# Altium PCB Fast_Servo.PCBDOC (part 4 of 7) (continued)
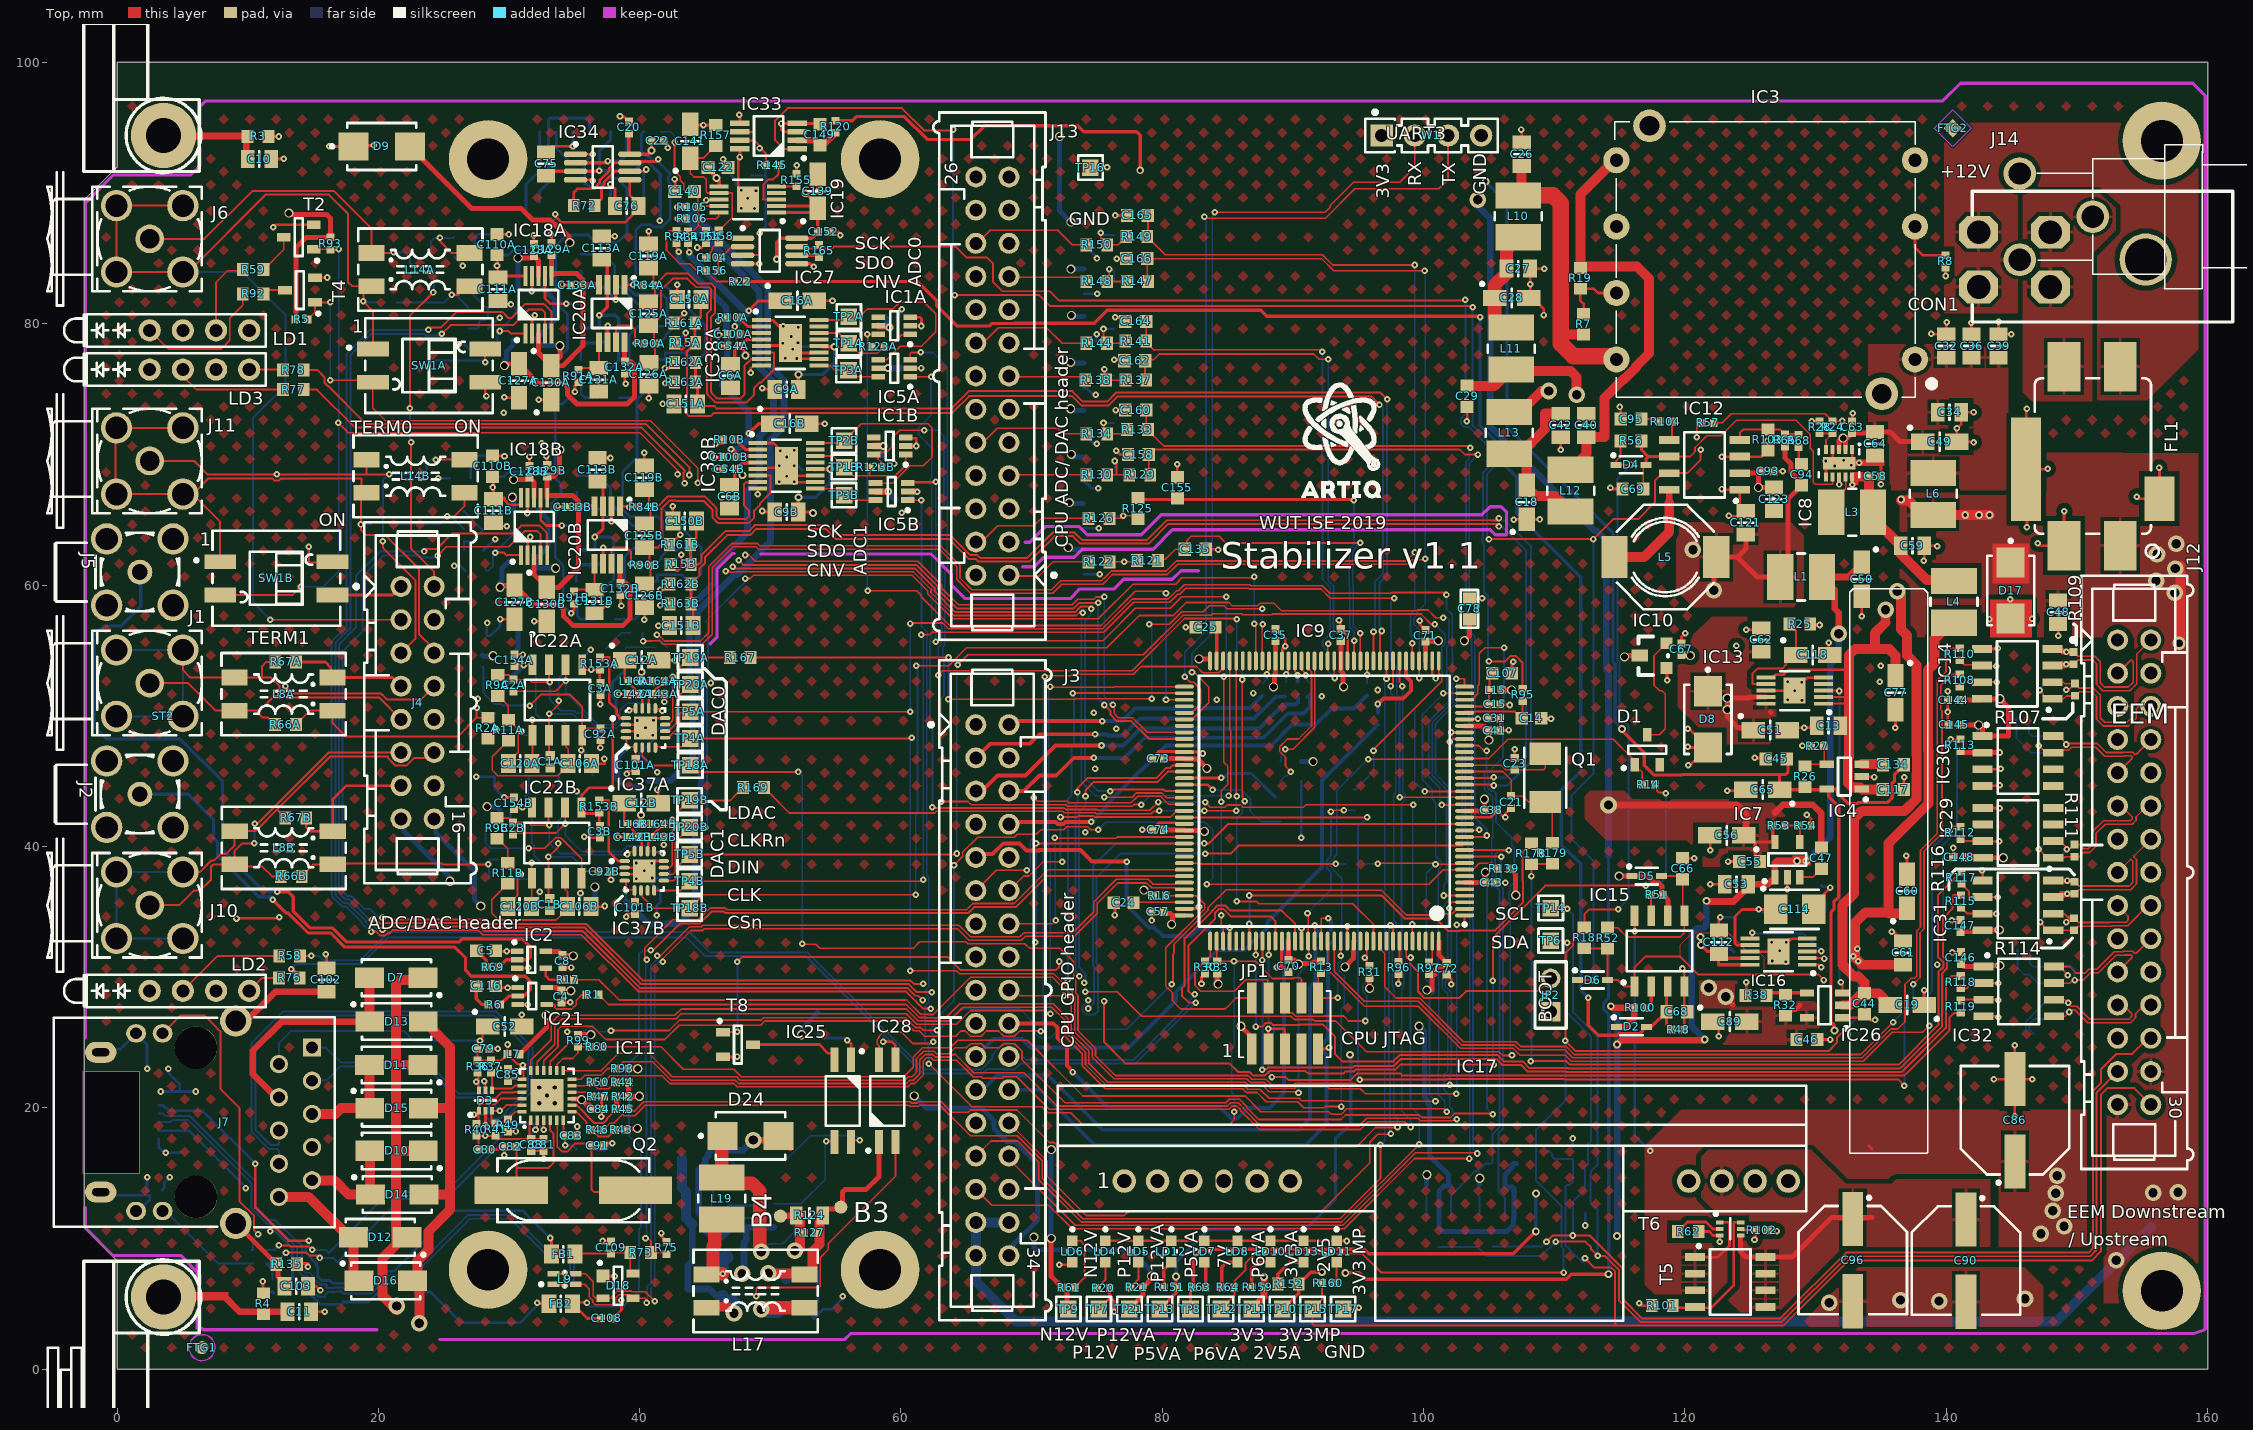
[diagram p0: Top view]
## Nets (pads, with @x,y where several pads share a name; then routed paths per layer and width w, separated by ;. In a path a pad name is that pad's centre, name@x,y a point inside that pad or via, vN(x,y) a via of type N, cw(c..) or ccw(c..) an arc to the next point about the centre after c; other vN are vias at no path point) (continued)
  L3 w0.203: 75.773,50.347 75.377,50.347 75.257,50.227 v1(74.748,50.227) 74.733,50.212 74.733,49.864 74.117,49.248 74.117,46.36 74.53,45.947 v1(74.854,45.947) 74.854,43.661 73.931,42.739 73.931,41.236 v1(74.094,41.072) 74.378,41.072 74.771,40.68 75.402,40.68 75.681,40.959 75.681,41.34 75.913,41.572 75.913,42.838 80.189,47.114 88.181,47.114 89.886,48.819 94.247,48.819 95.669,50.241 95.669,51.148 v1(96.495,51.973) 94.728,51.973 94.23,51.476 93.407,51.476 92.909,51.973 89.317,51.973 88.842,51.498 88.181,51.498 87.707,51.973 87.275,51.973 87.041,51.74 v1(86.97,51.74) 85.164,51.74 84.714,51.29 ; 75.979,50.256 75.683,50.256 75.688,50.261 75.688,50.207 76.837,50.207 77.531,50.902 78.662,50.902 78.917,50.647 79.45,50.647 79.705,50.902 80.011,50.595 80.504,50.595 81.135,51.227 v1(84.159,51.227)
  Bot w0.203: J9.6@-2.211,13.545 -1.982,13.316 2.5,13.316 2.5,12.925 1.67,12.095 J7.L4@1.46,12.095 ; J9.7@-2.211,24.245 -1.982,24.475 0.239,24.475 J7.L2@1.46,25.695 2.3,24.855 v1(2.3,22.987) ; v1@2.131,14.628 2.3,14.459 J9.9@2.3,13.545 ; J9.5@3.2,17.595 3.2,16.963 3.617,16.545 J9.11@4.9,16.545 ; v1(3.359,21.245) v1(6.04,21.245) ; J9.9@3.454,13.695 3.603,13.844 3.603,14.237 v1(4.051,14.685) ; v1(3.939,22.987) 3.939,22.667 4.801,21.806 J9.10@4.801,21.245 ; v1(11.151,6.706) 11.138,6.693 11.138,6.04 11.257,5.921 R55.2@11.887,5.921 R55.2@11.989,5.819 ; v1(24.577,68.174) 24.583,68.179 R82B.1@25.467,68.179 ; R82A.1@25.801,85.144 26.467,84.479 v1(26.467,84.43) ; v1@25.882,61.468 26.274,61.468 C124B.1@26.632,61.11 ; v1@26.216,78.433 26.608,78.433 C124A.1@26.966,78.074 ; v1(27.5,45.346) 27.524,45.322 C98B.2@28.896,45.322 28.896,44.482 v1(29.628,43.75) ; R89B.1@28.067,62.67 28.897,63.5 v1(28.956,63.5) ; v1(28.331,57.105) 28.307,57.081 C98A.2@28.307,56.136 28.602,56.136 29.317,56.85 v1(29.317,57.404) ; R89A.1@28.401,79.634 29.232,80.465 v1(29.29,80.465) ; C97B.1@32.267,35.25 32.267,36.445 v1(32.357,36.535) ; C97A.1@33.796,45.419 33.796,44.461 34.036,44.221 v1(35.186,44.221) ; RN3.7@34.897,94.701 34.9,94.698 v1(34.9,93.599) ; RN5A.4@35.607,53.91 35.607,54.409 v1(36.246,55.048) ; C87.1@36.741,16.764 37.389,16.764 v1(37.897,17.272) ; RN4.4@37.766,89.301 v1(37.766,90.67) ; v1(41.307,34.727) 41.307,35.492 C138B.2@41.578,35.764 41.578,36.535 40.953,37.16 v4(40.953,37.582) 42.303,37.582 C99B.2@42.303,38.11 ; v1(41.352,45.665) 39.958,47.058 40.998,48.098 v4(40.998,48.52) 41.526,49.048 C99A.2@42.348,49.048 ; C167.1@47.027,91.336 47.348,91.015 47.348,90.65 v4(47.777,90.221) ; v4(51.84,69.133) 52.116,69.133 C137B.1@52.44,68.809 ; v4(52.121,78.549) 52.438,78.232 C137A.1@52.941,78.232 ; C105.1@53.646,4.353 53.252,3.959 53.34,3.871 54.041,4.572 54.676,4.572 55.601,5.496 55.55,5.547 v1(55.55,5.563) ; C33.1@53.646,7.529 53.646,5.248 C105.1@53.697,5.197 ; C7B.1@59.461,69.988 59.491,69.959 v1(59.491,69.305) ; C7A.1@59.647,80.5 60.014,80.868 60.014,81.071 v1(60.071,81.128) ; v1(60.071,65.533) v1@60.071,65.591 ; B.1@60.477,66.548 60.686,66.756 60.858,66.756 v1(61.259,67.158) ; A.1@60.877,76.6 60.89,76.614 v1(61.566,76.614) ; D25.1@73.925,64.356 73.929,64.36 v1(75.15,64.36) ; D23.1@74,60.827 v1(75.225,60.827) ; D27.1@74,67.912 74.1,67.912 74.6,67.412 v1(75.1,67.412) ; D29.1@74,71.462 74.1,71.462 74.733,70.83 v1(74.979,70.83) ; D31.1@74,75.084 74.2,75.084 74.7,74.584 v1(74.9,74.584) ; D33.1@74.025,78.655 74.925,78.655 74.975,78.705 v1(74.975,79.195) ; D35.1@74.025,82.291 v1(75.025,82.291) ; D34.1@74.025,85.841 74.225,85.841 75,85.066 v1(75,85) ; v1(90.643,40.675) R183.2@90.643,41.905 R182.2@90.643,43.367 R181.2@90.643,44.974 ; v1(111.418,17.651) 111.418,16.989 C17.1@111.42,16.987 ; IC6.2@112.37,11.933 112.376,11.927 112.376,10.996 v1(112.383,10.989) ; v1(122.692,34.596) 122.703,34.585 123.687,34.585 C115.2@123.723,34.549 ; R143.1@130.442,37.031 130.561,36.912 131.072,36.912 v1(131.128,36.855) ; IC23.4@142.732,55.111 142.784,55.163 v1(143.955,55.163) ; v1(142.736,38.187) 142.783,38.141 IC40.4@142.783,37.39 ; IC39.5@142.791,44.636 143.97,44.636 144.027,44.693 v1(144.108,44.693) ; IC36.4@142.792,42.946 144.074,42.946 v1(144.082,42.937) ; IC41.5@142.843,27.001 142.876,26.968 143.948,26.968 v1(143.981,26.935) ; v1(35.186,44.221) 35.509,43.899 ; v1(35.186,44.221) 35.251,44.221 35.509,43.963 35.509,43.899 ; 35.509,43.899 35.509,43.025 RN5B.4@35.562,42.972 35.562,43.846 35.509,43.899
  other v1: 2.3,14.685 3.73,16.545 139.319,30.962 127.842,36.734 76.475,49.023 92.202,51.499 134.976,53.83 89.408,55.318 123.942,55.346 143.286,57.406 146.563,57.431 25.813,61.468 147.014,63.192 31.639,63.684 149.034,65.667 147.776,68.907 133.325,69.378 32.493,70.866 29.611,73.193 146.176,73.505 26.147,78.433 61.541,79.832 31.973,80.649
  other v4: 39.754,37.541 40.353,38.132 40.931,38.71 39.748,38.732 39.85,48.489 39.827,49.643 41.064,49.645 127.855,51.214 128.955,51.202 128.403,51.911 128.943,52.571 127.855,52.591 50.67,67.922 51.842,67.922 51.25,68.328 131.47,69.113 132.715,69.163 130.785,69.5 132.156,69.545 51.25,69.809 50.76,70.295 51.84,70.309 52.03,77.343 51.13,77.368 51.6,79.026 52.15,79.731 50.978,79.819 47.777,88.83 48.793,88.824 48.287,89.611 48.902,90.195
  other v5: 131.039,5.068 139.45,5.207 136.5,5.283 146.025,5.385
  other v6: 127.717,31.169 126.681,31.231 127.26,32.007 126.65,32.668 127.748,32.671
  other v7: 32.305,20.345 33.505,20.345 32.905,20.945 32.305,21.545 33.505,21.545
GNDF: CON1.1 CON1.2 FL1.3 J14.1
HRTIM_CHA1: IC9.96 J3.14 | length 20.1
  Top w0.127: J3.14@68.27,34.08 71.596,34.08 71.85,34.334 v1(71.857,34.334) ; v1(71.755,40.665) 71.788,40.632 76.447,40.632 76.542,40.727 IC9.96@81.684,40.727
  Top w0.152: J3.14@68.27,34.08 J3.14@68.292,34.058
  Bot w0.127: v1(71.755,40.665) 71.806,40.615 71.806,34.385 v1(71.857,34.334)
HRTIM_CHA2: IC9.97 J3.15 | length 23.9
  Top w0.127: v1(70.333,40.227) 70.335,40.225 81.682,40.225 IC9.97@81.684,40.227
  L3 w0.127: J3.15@65.73,31.54 66.852,32.662 v1(70.264,32.662)
  Bot w0.127: v1(70.264,32.662) 70.333,32.731 v1(70.333,40.227)
HRTIM_CHE1: IC9.91 J3.11 | length 22.5
  Top w0.127: J3.11@65.73,36.62 67.28,38.17 69.615,38.17 v1(69.621,38.176) ; v1(70.165,43.727) 70.439,43.453 72.707,43.453 72.819,43.341 75.211,43.341 75.218,43.335 77.61,43.335 78.116,43.84 79.866,43.84 80.479,43.227 IC9.91@81.684,43.227
  Bot w0.127: v1(69.621,38.176) 69.893,38.448 69.893,40.409 70.165,40.682 v1(70.165,43.727)
HRTIM_CHE2: IC9.92 J3.12 | length 18.2
  Top w0.127: J3.12@68.27,36.62 69.386,37.736 69.804,37.736 70.909,38.841 v1(72.331,38.841) ; v1(72.209,42.25) 73.496,42.25 73.571,42.325 74.757,42.325 74.825,42.257 80.639,42.257 81.109,42.727 IC9.92@81.684,42.727
  Bot w0.127: v1(72.209,42.25) 72.209,39.063 72.331,38.942 v1(72.331,38.841)
I2C1_SCL: IC9.139 J3.27 | length 56.4
  Top w0.127: J3.27@65.73,16.3 66.885,17.455 68.937,17.455 70.55,15.842 70.55,14.501 73.799,11.252 93.721,11.252 v1(99.659,17.191) ; IC9.139@98.659,32.752 98.659,31.506 98.665,31.5 v1(99,31.5)
  Bot w0.127: v1(99,31.5) 99,20.096 99.659,19.437 v1(99.659,17.191)
I2C1_SDA: IC9.137 J3.26 | length 53.7
  Top w0.127: J3.26@68.27,18.84 71.181,15.929 71.181,14.755 74.176,11.76 77.094,11.76 77.424,12.09 92.186,12.09 95.869,15.773 95.869,17.354 96.495,17.979 97.479,17.979 v1(97.5,18) ; v1(97.465,33.974) 97.659,33.78 IC9.137@97.659,32.752
  Bot w0.127: v1(97.465,33.974) 97.35,33.859 97.35,23.035 97.425,22.96 97.425,18.075 v1(97.5,18)
I2C2_SCL: IC9.11 R23.2 T3.2 | length 34.4
  Top w0.152: IC9.11@103.134,39.727 106.483,39.727 v1(106.514,39.696)
  Bot w0.152: T3.2@102.105,11.633 102.105,13.306 102.519,13.72 102.519,13.723 103.965,15.17 104.184,15.17 104.765,15.751 105.19,15.751 105.279,15.84 105.279,17.995 105.812,18.529 105.812,36.642 105.531,36.924 105.531,37.53 105.535,37.535 105.535,38.66 105.481,38.714 105.481,39.397 105.746,39.662 106.122,39.662 106.125,39.659 106.478,39.659 v1(106.514,39.696)
I2C2_SDA: IC9.10 R74.2 T1.2 | length 31
  Top w0.152: IC9.10@103.134,39.227 105.916,39.227 v1(105.934,39.209)
  Bot w0.152: v1@105.81,39.085 v1(105.934,39.209) 105.934,37.539 105.81,37.415 105.81,37.039 106.092,36.757 106.092,18.413 105.717,18.039 105.717,13.597 106.21,13.104 R74.2@106.23,13.104 106.229,13.102 T1.2@106.229,11.691
I2C_SCL: IC6.1 J12.27 T3.3 TP14.1 | length 101
  Top w0.152: TP14.1@109.728,35.281 110.946,35.281 v1(110.985,35.242) ; v1(110.101,9.754) 112.383,9.754 112.818,9.318 112.818,9.165 v1(113.32,8.663) 113.869,8.663 114.943,7.589 114.943,5.254 116.59,3.607 127.418,3.607 132.447,8.636 151.017,8.636 151.5,9.119 151.5,21.164 J12.27@153.114,22.778
  Bot w0.152: T3.3@101.155,9.333 104.155,9.333 104.824,8.663 109.011,8.663 v1(110.101,9.754) ; v1(110.985,35.242) 111.438,34.789 111.438,27.327 113.32,25.445 113.32,15.671 112.816,15.168 112.816,14.893 112.776,14.852 112.776,12.664 113.033,12.407 113.096,12.407 113.32,12.183 IC6.1@113.32,11.933 v1(113.32,8.663)
I2C_SDA: IC6.3 J12.26 T1.3 TP6.1 | length 96.3
  Top w0.152: v1(109.405,9.754) 109.877,10.226 112.701,10.226 115.222,7.704 115.222,5.373 116.709,3.886 127.302,3.886 132.331,8.915 150.901,8.915 151.221,9.235 151.221,21.28 151.832,21.891 151.832,22.927 153.03,24.126 154.236,24.126 155.429,25.318 J12.26@155.654,25.318 ; TP6.1@109.728,32.789 110.737,32.789 110.891,32.635 v1(110.985,32.635)
  Bot w0.152: T1.3@105.279,9.391 109.042,9.391 v1(109.405,9.754) ; v1(110.985,32.635) 110.985,27.27 112.816,25.438 112.816,17.479 112.598,17.261 112.598,15.671 112.37,15.442 112.37,13.767 111.42,12.817 IC6.3@111.42,11.933 111.42,10.227 v1(111.418,10.226)
INA_N: C119A.2 C125A.2 IC38A.7 R84A.2 | length 23.4
  Top w0.152: C125A.2@40.692,81.654 41.162,82.124 R84A.2@41.162,82.939 ; C119A.2@40.692,84.289 41.056,83.925 41.056,83.045 R84A.2@41.162,82.939 ; IC38A.7@49.171,77.266 IC38A.7@49.337,77.266 ; IC38A.7@49.337,77.294 48.538,77.294 48.313,77.068 48.29,77.068 48.006,76.784 48.006,74.579 47.725,74.298 45.913,74.298 45.51,74.701 45.51,74.8 45.455,74.854 45.455,80.508 45.76,80.812 45.76,82.805 45.463,83.102 44.452,83.102 43.688,83.866 42.089,83.866 R84A.2@41.162,82.939
INA_P: C125A.1 C126A.1 IC38A.6 R90A.2 | length 28.3
  Top w0.152: C126A.1@40.714,77.043 41.162,77.492 41.162,78.479 41.098,78.544 41.098,79.449 C125A.1@40.692,79.854 40.941,79.854 41.631,80.543 41.631,82.52 41.656,82.545 41.656,82.603 42.517,83.465 43.658,83.465 44.325,82.797 45.336,82.797 45.455,82.678 45.455,81.06 45.151,80.755 45.151,74.728 45.205,74.673 45.205,74.574 45.787,73.993 48.191,73.993 48.764,74.566 48.764,75.094 49.189,75.519 49.317,75.519 50.273,76.475 50.273,77.794 IC38A.6@49.337,77.794 ; IC38A.6@49.171,77.766 IC38A.6@49.337,77.766
INB_N: C119B.2 C125B.2 IC38B.7 R84B.2 | length 15.8
  Top w0.152: C125B.2@40.358,64.689 40.828,65.16 R84B.2@40.828,65.974 ; C119B.2@40.358,67.324 40.722,66.96 40.722,66.081 R84B.2@40.828,65.974 ; IC38B.7@49.039,67.883 49.021,67.864 48.129,67.864 48,67.736 48,66.08 48.358,65.722 48.358,65.274 48.13,65.046 46.123,65.046 45.885,65.283 45.885,65.877 44.968,66.794 42.172,66.794 41.352,65.974 R84B.2@40.828,65.974
INB_P: C125B.1 C126B.1 IC38B.6 R90B.2 | length 20.6
  Top w0.152: C126B.1@40.379,60.078 40.828,60.527 40.828,61.515 40.763,61.579 40.763,62.484 C125B.1@40.358,62.889 41.388,62.889 41.656,63.158 41.656,65.847 42.298,66.489 42.725,66.489 42.767,66.446 44.884,66.446 45.581,65.75 45.581,65.157 45.997,64.741 48.337,64.741 48.768,65.173 48.768,65.701 49.193,66.126 49.193,66.236 50.007,67.05 50.007,68.383 IC38B.6@49.039,68.383
JADC1_IN2_N: J13.4 R126.2 | length 9.1
  Top w0.127: J13.4@66,63.236 66.104,63.236 67.401,64.533 70.165,64.533 70.738,65.106 R126.2@74.35,65.106
JADC1_IN2_P: J13.1 R122.2 | length 6.3
  Top w0.127: J13.1@68.54,60.696 70.56,60.696 71.641,61.777 R122.2@74.35,61.777
JADC2_IN2_N: J13.16 R144.2 | length 9.2
  Top w0.127: J13.16@66,78.476 66.222,78.476 67.454,79.708 71.143,79.708 72.339,78.512 R144.2@74.175,78.512
JADC2_IN2_P: J13.13 R138.2 | length 5.7
  Top w0.127: J13.13@68.54,75.936 73.851,75.936 R138.2@74.1,75.687
JADC3_IN5_N: J13.10 R134.2 | length 8.8
  Top w0.127: J13.10@66,70.856 66.217,70.856 67.368,72.008 72,72.008 72.428,71.58 R134.2@74.179,71.58
JADC3_IN5_P: J13.7 R130.2 | length 5.7
  Top w0.127: J13.7@68.54,68.316 68.66,68.436 R130.2@74.179,68.436
LED1: IC11.2 R39.1 R55.1 | length 27.7
  Top w0.152: v1(12.933,8.915) 14.504,8.915 14.742,8.678 15.338,8.678 v1(15.512,8.504) ; v1(32.029,18.313) 32.155,18.439 IC11.2@32.155,19.045
  Bot w0.152: R55.1@11.887,6.861 11.887,7.605 11.626,7.866 11.606,7.866 11.392,8.08 R39.1@11.392,8.1 12.117,8.1 v1(12.933,8.915) ; v1(15.512,8.504) 16.443,8.504 16.494,8.555 16.855,8.194 21.666,13.005 25.141,13.005 29.231,17.094 30.81,17.094 v1(32.029,18.313)
LED2: IC11.3 R35.1 | length 26.9
  Top w0.152: v1(12.395,9.474) 13.163,9.474 13.269,9.369 14.692,9.369 v1(14.93,9.131) ; IC11.3@32.655,19.045 32.655,18.322 v1(32.664,18.313)
  Bot w0.152: R35.1@11.084,9.103 R35.1@11.138,9.103 ; R35.1@11.227,9.103 12.024,9.103 v1(12.395,9.474) ; v1(14.93,9.131) 15.956,9.131 16.203,8.884 20.883,13.564 25.15,13.564 30.353,18.767 32.217,18.767 32.664,18.319 v1(32.664,18.313)
LPTIM2_OUT: IC9.74 J3.17 | length 38.5
  Top w0.152: v1(73.152,51.727) 73.168,51.743 81.668,51.743 IC9.74@81.684,51.727
  L3 w0.127: J3.17@65.73,29 J3.17@65.908,29
  L3 w0.152: J3.17@65.73,29 66.804,30.074 69.217,30.074 69.496,29.794 v1(72.771,29.794)
  Bot w0.152: v1(72.771,29.794) 72.784,29.807 72.784,43.631 73.082,43.93 73.054,43.957 73.054,47.618 73.257,47.821 73.257,51.622 v1(73.152,51.727)
LVDS0_N: IC14.4 IC23.5 J12.3 R109.2 | length 12.5
  Top w0.127: IC14.4@148.132,55.111 148.97,55.111 ; v1(149.2,54.883) R109.2@149.732,54.883 150.062,54.553 151.352,54.553 151.779,54.126 151.779,52.52 152.099,52.2 153.93,52.2 154.309,52.578 154.309,54.153 154.207,54.254 154.11,54.254 J12.3@153.114,53.258
  Bot w0.127: IC23.5@148.132,55.111 148.362,54.881 149.197,54.881 v1(149.2,54.883)
LVDS0_P: IC14.3 IC23.6 J12.2 R109.1 | length 13.4
  Top w0.127: IC14.3@148.132,53.841 v1@148.97,53.841 ; v1@149.182,53.943 R109.1@149.732,53.943 150.062,54.274 151.218,54.274 151.5,53.991 151.5,52.404 151.984,51.92 154.046,51.92 154.448,52.322 154.588,52.463 154.588,54.732 J12.2@155.654,55.798
  Bot w0.127: IC23.6@148.132,53.841 149.068,53.841 v1(149.182,53.955)
LVDS1_N: IC14.1 IC23.7 J12.6 R107.1 | length 13.6
  Top w0.127: v1(147.142,51.948) 147.42,51.67 147.42,51.538 147.657,51.301 IC14.1@148.132,51.301 148.97,51.301 149.183,51.514 149.863,51.514 150.193,51.845 151.133,51.845 151.5,51.478 151.5,49.736 152.015,49.221 153.941,49.221 154.533,49.812 154.533,50.519 154.732,50.718 J12.6@155.654,50.718
  Bot w0.127: v1(147.142,51.948) 147.169,51.948 147.244,52.023 147.244,52.133 147.42,52.309 147.42,52.335 147.657,52.571 IC23.7@148.132,52.571
LVDS1_P: IC14.2 IC23.8 J12.5 R107.2 | length 12.7
  Top w0.127: IC14.2@148.132,52.571 148.97,52.571 149.087,52.454 R107.2@149.825,52.454 ; v1(149.174,51.999) 149.246,52.07 149.461,52.07 149.614,52.223 149.614,52.243 R107.2@149.825,52.454 ; R107.2@149.86,52.469 149.84,52.469 R107.2@149.825,52.454 ; J12.5@153.114,50.718 154.031,50.718 154.254,50.495 154.254,49.928 153.826,49.5 152.131,49.5 151.779,49.852 151.779,51.593 151.249,52.124 150.155,52.124 R107.2@149.825,52.454
  Bot w0.127: IC23.8@148.132,51.301 148.368,51.538 148.86,51.538 149.063,51.741 149.063,51.787 149.174,51.898 v1(149.174,51.999)
LVDS2_N: IC30.7 IC39.1 J12.9 R173.1 | length 13.5
  Top w0.127: v1(147.091,47.701) 147.38,47.412 147.946,47.412 IC30.7@148.183,47.176 148.369,47.362 149.357,47.362 149.589,47.595 151.443,47.595 152.129,46.908 153.64,46.908 153.669,46.937 154.159,46.937 154.233,46.862 154.233,46.757 J12.9@153.114,45.638
  Bot w0.127: R173.1@146.317,49.852 146.317,48.679 146.558,48.438 147.234,48.438 ; v1(147.091,47.701) 147.163,47.773 147.163,47.957 147.168,47.962 147.168,48.371 147.234,48.438 ; IC39.1@148.191,48.446 147.242,48.446 147.234,48.438
LVDS2_P: IC30.8 IC39.2 J12.8 R173.2 | length 15.6
  Top w0.127: v1@149.174,47.897 149.197,47.874 v1@149.213,47.874 ; J12.8@155.654,48.178 154.536,47.06 154.431,47.06 154.274,47.216 153.553,47.216 153.525,47.188 152.245,47.188 151.559,47.874 v1@149.213,47.874 ; IC30.8@148.86,48.243 148.385,48.243 IC30.8@148.183,48.446 148.658,48.446 IC30.8@148.86,48.243 ; IC30.8@148.86,48.243 148.946,48.158 148.946,48.064 149.174,47.835 v1@149.213,47.874
  Bot w0.127: R173.2@145.377,49.852 145.377,48.289 146.49,47.176 IC39.2@148.191,47.176 148.428,47.412 148.951,47.412 149.025,47.487 149.025,47.553 149.174,47.702 v1(149.174,47.803)
LVDS3_N: IC29.1 IC36.7 J12.12 R111.1 | length 12.7
  Top w0.127: v1(147.091,39.789) 147.481,39.4 147.481,39.372 147.718,39.136 IC29.1@148.193,39.136 149.031,39.136 149.102,39.206 R111.1@149.811,39.206 150.185,39.206 150.515,39.536 150.988,39.536 151.463,40.012 151.463,41 152.163,41.7 154.241,41.7 154.524,41.983 154.524,42.257 155.365,43.098 J12.12@155.654,43.098
  Bot w0.127: v1(147.091,39.789) 147.128,39.789 147.481,40.142 147.481,40.169 147.717,40.406 IC36.7@148.192,40.406 IC36.7@148.245,40.353
LVDS3_P: IC29.2 IC36.8 J12.11 R111.2 | length 11.2
  Top w0.127: IC29.2@148.193,40.406 148.701,40.406 149.212,39.895 149.212,39.79 v1(149.225,39.776) 149.422,39.776 149.792,40.146 R111.2@149.811,40.146 150.185,40.146 150.515,39.816 150.872,39.816 151.184,40.128 151.184,41.116 152.048,41.979 154.125,41.979 154.245,42.099 154.245,42.257 153.403,43.098 J12.11@153.114,43.098
  Bot w0.127: IC36.8@148.192,39.136 148.667,39.136 148.904,39.372 148.904,39.455 v1(149.225,39.776)
LVDS4_N: IC31.4 IC40.5 J12.15 R116.2 | length 10.7
  Top w0.127: IC31.4@148.183,37.39 149.021,37.39 v1@149.106,37.305 ; v1@149.351,37.305 R116.2@149.811,37.305 150.142,36.975 153.993,36.975 154.281,37.263 154.281,38.884 154.165,39 154.096,39 J12.15@153.114,38.018
  Bot w0.127: IC40.5@148.183,37.39 v1(149.248,37.39) ; v1(149.248,37.39) 149.274,37.39 149.337,37.327 149.311,37.327 v1(149.248,37.39)
LVDS4_P: IC31.3 IC40.6 J12.14 R116.1 | length 12.1
  Top w0.127: IC31.3@148.183,36.12 149.021,36.12 v1(149.266,36.365) R116.1@149.811,36.365 150.142,36.696 154.109,36.696 154.56,37.147 154.56,39 154.362,39.198 154.362,39.266 J12.14@155.654,40.558
  Bot w0.127: IC40.6@148.183,36.12 148.658,36.12 148.961,36.424 149.208,36.424 v1(149.266,36.365)
LVDS5_N: IC31.1 IC40.7 J12.18 R114.1 | length 10.9
  Top w0.127: v1(147.193,34.214) 147.471,33.936 147.471,33.817 147.708,33.58 IC31.1@148.183,33.58 149.4,33.58 149.409,33.571 R114.1@149.783,33.571 150.113,33.901 152.676,33.901 152.704,33.929 153.88,33.929 155.43,35.478 J12.18@155.654,35.478
  Bot w0.127: v1(147.193,34.214) 147.195,34.214 147.269,34.288 147.269,34.405 147.471,34.607 147.471,34.614 147.708,34.85 IC40.7@148.183,34.85
LVDS5_P: IC31.2 IC40.8 J12.17 R114.2 | length 9.3
  Top w0.127: IC31.2@148.183,34.85 149.021,34.85 149.361,34.511 ; v1(149.174,34.214) 149.174,34.239 149.361,34.426 149.361,34.511 ; J12.17@153.114,35.478 153.91,34.683 153.91,34.354 153.764,34.208 152.588,34.208 152.561,34.18 150.113,34.18 R114.2@149.783,34.511 149.361,34.511
  Bot w0.127: IC40.8@148.183,33.58 148.419,33.817 148.975,33.817 149.103,33.944 149.103,34.142 v1(149.174,34.214)
LVDS6_N: IC32.7 IC41.1 J12.21 R174.1 | length 14.2
  Top w0.127: IC32.7@148.243,29.541 149.454,29.541 149.762,29.849 v1(149.833,29.777) 150.485,29.777 151.029,30.321 151.636,30.321 152.984,31.668 153.64,31.668 153.669,31.697 154.159,31.697 154.233,31.622 154.233,31.517 J12.21@153.114,30.398
  Bot w0.127: R174.1@146.393,32.121 146.393,31.051 146.66,30.785 148.217,30.785 IC41.1@148.243,30.811 149.58,30.811 149.809,30.582 149.809,29.801 v1(149.833,29.777)
LVDS6_P: IC32.8 IC41.2 J12.20 R174.2 | length 15.8
  Top w0.127: IC32.8@148.243,30.811 IC32.8@148.718,30.811 ; v1(149.293,30.15) 149.293,30.175 148.955,30.514 148.955,30.574 IC32.8@148.718,30.811 ; J12.20@155.654,32.938 154.536,31.82 154.431,31.82 154.274,31.976 153.553,31.976 153.525,31.948 152.868,31.948 151.521,30.601 150.913,30.601 150.628,30.315 149.923,30.315 149.428,30.811 IC32.8@148.718,30.811
  Bot w0.127: R174.2@145.453,32.121 145.453,30.69 145.948,30.194 146.361,30.194 147.015,29.541 IC41.2@148.243,29.541 148.718,29.541 148.955,29.777 148.955,29.811 v1(149.293,30.15)
LVDS7_N: IC32.5 IC41.4 J12.24 R175.2 | length 13.1
  Top w0.127: IC32.5@148.243,27.001 149.082,27.001 v1(149.41,27.329) 149.577,27.496 149.834,27.496 150.83,26.5 154.098,26.5 154.401,26.802 154.482,26.884 154.482,27.186 155.155,27.858 J12.24@155.654,27.858
  Bot w0.127: R175.2@146.697,25.636 146.697,25.656 146.47,25.882 146.441,25.882 146.366,25.957 146.366,26.428 146.736,26.797 148.04,26.797 IC41.4@148.243,27.001 148.718,27.001 149.047,27.329 v1(149.41,27.329)
LVDS7_P: IC32.6 IC41.3 J12.23 R175.1 | length 13.4
  Top w0.127: IC32.6@148.243,28.271 149.082,28.271 v1(149.33,28.023) 149.577,27.775 149.997,27.775 150.993,26.779 153.982,26.779 154.203,27 154.203,27.186 153.531,27.858 J12.23@153.114,27.858
  Bot w0.127: R175.1@145.757,25.636 145.757,25.656 145.983,25.882 146.013,25.882 146.087,25.957 146.087,26.589 147.768,28.271 IC41.3@148.243,28.271 148.296,28.218 148.751,28.218 148.946,28.023 v1(149.33,28.023)
MCO_2: IC9.99
N12V0_CHA: C92A.2 C97A.2 D21A.1 IC22A.4 L18A.2 | length 17.9
  Top w0.127: IC22A.4@35.607,48.932 35.71,49.035 C92A.2@37.002,49.035
  Top w0.152: v1(31.596,50.77) 32.444,51.618 34.679,51.618 35.607,50.691 35.607,48.932 IC22A.4@35.607,48.51 35.607,47.448 v1(35.517,47.358)
  Bot w0.152: L18A.2@27.986,53.715 28.031,53.67 D21A.1@28.031,52.459 28.031,51.759 28.903,50.887 29.391,50.887 29.508,50.77 v1(31.596,50.77) ; v1(35.517,47.358) 35.646,47.358 36.396,46.607 C97A.2@36.396,45.419
N12V0_CHB: C92B.2 C97B.2 D21B.1 IC22B.4 L18B.2 | length 16.8
  Top w0.127: v1(31.495,39.859) 32.744,39.859 33.594,40.709 33.636,40.667 33.95,40.667 35.562,39.055 IC22B.4@35.562,37.994 ; v1(35.472,36.42) 35.562,36.51 IC22B.4@35.562,37.572 IC22B.4@35.562,37.994 ; C92B.2@36.957,38.097 35.665,38.097 IC22B.4@35.562,37.994
  Bot w0.127: D21B.1@28.207,41.309 28.207,40.257 28.605,39.859 v1(31.495,39.859) ; C97B.2@34.867,35.25 C97B.2@35.145,35.25 ; v1(35.472,36.42) 35.472,35.703 35.535,35.64 C97B.2@35.145,35.25 ; L18B.2@36.489,34.927 36.166,35.25 C97B.2@35.145,35.25
N12V0A: C46.2 C89.2 C129A.2 C129B.2 C130A.2 C130B.2 C133A.2 C133B.2 D9.2 D19A.1 D19B.1 D20A.1 D20B.1 IC18A.3 IC18A.6 IC18B.3 IC18B.6 IC20A.4 IC20B.4 IC26.5 J4.16 J13.26 L18A.1 L18B.1 R32.2 R61.2 TP9.1 | length 305.2
  Top w0.381: D9.2@22.411,93.758 D9.2@22.411,93.571 22.486,93.571 23.37,92.686 23.37,92.611 27.158,88.824 30.927,88.824 31.795,87.955 33.162,87.955 33.752,87.366 33.913,87.366 34.584,86.695 34.584,86.28 v2(34.645,86.219) ; IC18B.3@31.927,62.295 31.927,60.799 C130B.2@32.902,59.824 33.795,59.824 35.322,61.352 C133B.2@35.322,65.974 C133B.2@35.322,66.036 ; IC18A.3@32.261,79.259 32.261,77.764 C130A.2@33.236,76.789 ; C129A.2@33.261,85.264 IC18A.6@33.261,83.659 33.443,83.841 35.189,83.841 35.657,83.373 C133A.2@35.657,83.001 ; v2(33.884,70.358) 33.884,68.758 33.425,68.299 C129B.2@32.927,68.299 IC18B.6@32.927,66.695 33.108,66.876 34.855,66.876 35.322,66.408 C133B.2@35.322,66.036 ; v2(33.898,78.323) 33.898,77.578 33.961,77.514 C130A.2@33.236,76.789 ; IC20B.4@36.545,66.036 C133B.2@35.322,66.036 ; IC20A.4@36.88,83.001 C133A.2@35.657,83.001 ; v2(71.5,10) 71.5,7.105 R61.2@72.364,6.241 72.697,5.908 72.697,4.704 TP9.1@72.804,4.597 ; v5@123.071,28.467 123.66,27.877 ; R32.2@127.692,27.046 127.742,27.046 128.205,27.509 128.446,27.509 128.792,27.856 128.792,27.877 ; C130A.2@33.236,76.789 34.129,76.789 35.657,78.317 C133A.2@35.657,82.939 C133A.2@35.657,83.001
  L3 w0.381: v2(33.884,70.358) 33.884,69.012 32.893,68.021 32.893,61.965 v2(33.563,61.295) 31.146,58.877 31.146,56.957 28.749,54.56 28.749,52.563 30.196,51.116 30.196,43.515 30.15,43.469 30.15,36.902 ; v2@33.898,70.358 v2(33.898,78.323) ; v2(36.576,36.906) 36.495,36.987 34.476,36.987 34.391,36.902 32.792,36.902 32.592,37.102 32.122,37.102 31.921,36.902 30.15,36.902 ; 38.125,85.693 40.24,87.808 40.65,87.808 41.294,88.451 41.764,88.451 42.096,88.119 42.096,87.607 42.32,87.384 43.632,87.384 43.802,87.554 52.934,87.554 53.518,88.138 62.001,88.138 64.87,91.007 65.497,91.007 J13.26@65.73,91.24 ; v5(123.127,28.5) 119.567,28.5 109.621,18.554 101.137,18.554 100.387,19.304 96.665,19.304 96.097,19.872 94.263,19.872 93.92,19.528 91.485,19.528 90.445,20.568 75.265,20.568 v2(71.5,16.804) 69.7,15.004 63.176,15.004 62.473,14.3 27.196,14.3 23.5,17.996 23.5,30.252 30.15,36.902
  Bot w0.381: J4.16@24.27,42.11 24.397,41.983 24.397,41.059 27.356,38.1 27.356,35.916 v2(27.838,35.433) ; L18A.1@27.986,54.635 28.028,54.593 v2(28.778,54.593) ; D20B.1@31.859,61.794 32.981,62.917 32.981,65.033 D19B.1@32.254,65.759 ; D20B.1@32.057,61.597 31.956,61.495 32.156,61.295 v2(33.563,61.295) ; D19A.1@32.589,82.724 33.473,81.84 33.473,80.262 32.041,78.83 32.153,78.718 32.548,78.323 v2(33.898,78.323) ; L18B.1@36.489,35.847 36.576,35.76 v2(36.576,36.906) ; v2(71.5,10) v2(71.5,16.804)
  other v5: 121.832,29.186
N13V0: C19.2 C44.2 IC26.2 L13.2 | length 83.1
  Top w0.762: L13.2@107.25,73.326 107.489,73.326 109.017,74.854 v5(109.576,74.854) ; IC26.2@132.042,27.846 132.635,27.846 133.555,28.765 C44.2@133.731,28.765 ; C19.2@135.7,27.871 134.805,28.765 C44.2@133.731,28.765 ; v5(136.246,59.538) 136.531,59.252 136.531,56.621 137.008,56.144 137.008,54.602 137.725,53.885 137.725,46.979 137.74,46.964 137.74,45.543 137.725,45.528 137.725,43.635 136.816,42.727 133.532,42.727 132.929,42.124 132.929,36.386 132.042,35.498 132.042,30.951 132.936,30.057 133.265,30.057 133.731,29.591 C44.2@133.731,28.765
  L3 w0.762: v5(109.576,74.854) 109.576,75.382 110.089,75.895 113.823,75.895 115.55,74.168 124.282,74.168 125.095,73.355 125.095,68.163 124.76,67.828 124.76,67.117 125.095,66.782 125.095,65.354 128.575,61.874 133.909,61.874 v5(136.246,59.538)